# Altium PCB GameBoard_V1I1.PcbDoc (part 9 of 22) (continued)
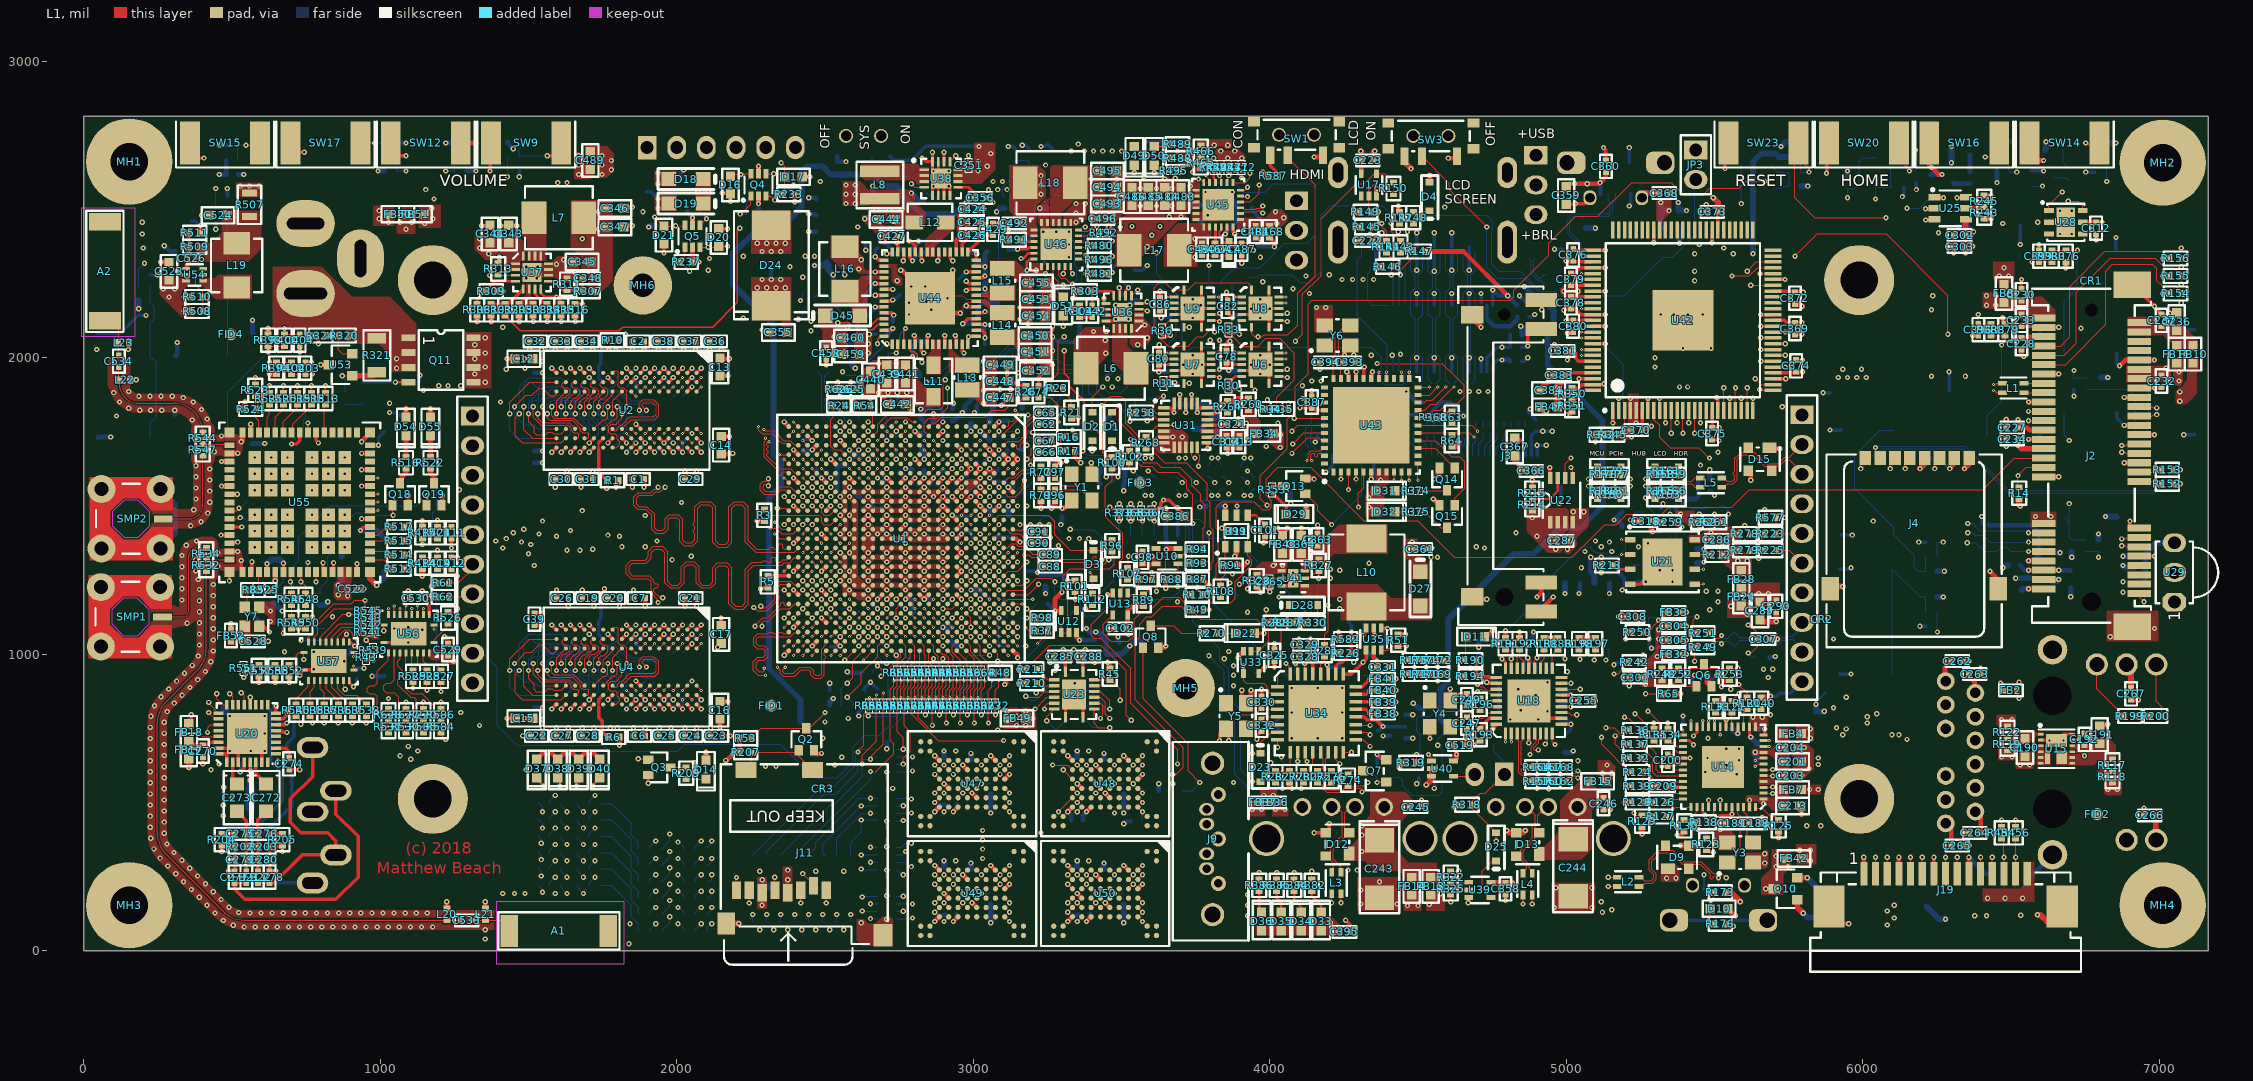
[diagram p0: L1 view]
## Nets (pads, with @x,y where several pads share a name; then routed paths per layer and width w, separated by ;. In a path a pad name is that pad's centre, name@x,y a point inside that pad or via, vN(x,y) a via of type N, cw(c..) or ccw(c..) an arc to the next point about the centre after c; other vN are vias at no path point) (continued)
  L10 w3.15: v1(3877.95,893.7) 3924.21,939.96 3924.21,1056.1 3910.43,1069.88 3910.43,1176.18 3942.91,1208.66 3942.91,1229.33 3936.02,1236.22 v1(3897.64,1236.22)
  L2 w3.15: v4(2728.35,1047.24) v3(2740.16,1059.06) ; v3(5186.02,1336.22) v4(5205.71,1336.22)
  L12 w3.15: R218.2@3362.2,826.77 3401.57,826.77 3429.13,799.21 v1(3429.13,783.46)
CSPI3_MOSI: R217.2 TP14.1 U1.P22 U21.5 U23.5 | length 4263.1
  L1 w3.15: U1.P22@2724.41,1106.3 v3(2740.16,1090.55) ; v1(3208.66,814.96) 3248.03,854.33 U23.5@3273.62,854.33 ; U21.5@5433.07,1236.22 v3(5463.58,1236.22)
  L3 w3.15: v4(2728.35,1078.74) 2740.16,1066.93 2740.16,1030.82 2717.21,1007.87 2690.48,1007.87 2606.3,923.69 2606.3,857.46 2631.67,832.09 2706.5,832.09 2744.49,870.08 3035.43,870.08 3098.43,807.09 3098.43,767.72 3122.05,744.09 3243.59,744.09 3268.51,769.01 3268.51,791.34 3260.63,799.21 3224.41,799.21 v1@3211.4,812.22 ; v1(3208.66,814.96) 3224.41,830.71 3256.89,830.71 3270.67,816.93 3371.06,816.93 3436.02,881.89 3519.69,881.89 3645.67,755.91 3779.53,755.91 3846.46,822.83 3846.46,897.64 v1(3877.95,929.13) ; v1(3925.2,1220.47) 3935.81,1220.47 3950.58,1235.24 3972.25,1235.24 3973.23,1236.22 3980.12,1229.33 4001.59,1229.33 4018.46,1212.46 4038.64,1212.46 4061.14,1189.96 4220.26,1189.96 4230.11,1199.8 4723.43,1199.8 4759.84,1236.22 4820.87,1236.22 4848.43,1208.66 4968.5,1208.66 4980.31,1220.47 5168.62,1220.47 5179.44,1231.3 5259.63,1231.3 5270.46,1220.47 5428.15,1220.47 v4(5443.9,1236.22)
  L10 w3.15: v1(3877.95,929.13) 3894.69,945.87 3894.69,966.75 3908.46,980.52 3908.46,1012.8 3895.67,1025.59 3895.67,1190.94 v1(3925.2,1220.47)
  L2 w3.15: v4(2728.35,1078.74) v3(2740.16,1090.55) ; v4(5443.9,1236.22) v3(5463.58,1236.22)
  L12 w3.15: v1(3208.66,814.96) 3248.03,854.33 TP14.1@3267.72,854.33 3291.34,877.95 R217.2@3322.83,877.95
CTP_INT#: R371.1 U43.11 | length 1073.4
  L1 w3.15: v3(4470.47,1586.61) U43.11@4470.47,1614.17
  L3 w3.15: v1(3531.5,1507.87) 3562.99,1476.38 3619.46,1476.38 3634.35,1461.49 3709.21,1461.49 3713.27,1465.55 3776.42,1465.55 3780.35,1469.49 4157.85,1469.49 4161.78,1465.55 4347.28,1465.55 4397.48,1515.75 4419.29,1515.75 v4(4470.47,1566.93)
  L2 w3.15: v4(4470.47,1566.93) v3(4470.47,1586.61)
  L12 w3.15: R371.1@3531.5,1486.81 v1(3531.5,1507.87)
CTP_RST#: R372.1 U43.12 | length 1174.4
  L1 w3.15: v3@4500,1590.55 U43.12@4500,1643.7
  L3 w3.15: v1(3492.13,1507.87) 3531.5,1468.5 3616.2,1468.5 3631.09,1453.61 3712.47,1453.61 3716.54,1457.68 3779.68,1457.68 3783.62,1461.61 4154.59,1461.61 4158.52,1457.68 4350.55,1457.68 4400.74,1507.87 4440.94,1507.87 v4(4500,1566.93)
  L2 w3.15: v4(4500,1566.93) v3(4500,1586.61)
  L12 w3.15: R372.1@3492.13,1486.81 v1(3492.13,1507.87)
CTP_SCL: R369.1 U43.9 | length 937.9
  L1 w3.15: v3(4419.29,1586.61) U43.9@4419.29,1614.17
  L3 w3.15: v1(3610.24,1507.87) 3640.87,1477.24 3702.69,1477.24 3706.75,1481.3 3769.89,1481.3 3773.83,1485.24 4164.37,1485.24 4168.31,1481.3 4340.76,1481.3 4419.29,1559.83 v4(4419.29,1566.93)
  L2 w3.15: v4(4419.29,1566.93) v3(4419.29,1586.61)
  L12 w3.15: R369.1@3602.36,1486.81 3602.36,1500 v1(3610.24,1507.87)
CTP_SDA: R370.1 U43.10 | length 1011.5
  L1 w3.15: v3(4444.88,1586.61) U43.10@4444.88,1614.17
  L3 w3.15: v1(3562.99,1507.87) 3586.61,1484.25 3622.72,1484.25 3637.61,1469.36 3705.95,1469.36 3710.01,1473.43 3773.16,1473.43 3777.09,1477.36 4161.11,1477.36 4165.05,1473.43 4344.02,1473.43 4403.39,1532.79 4410.74,1532.79 v4(4444.88,1566.93)
  L2 w3.15: v4(4444.88,1566.93) v3(4444.88,1586.61)
  L12 w3.15: v1(3562.99,1507.87) 3566.93,1503.94 R370.1@3566.93,1486.81
DRAM0_ZQ: R1.2 U2.L8 | length 159.7
  L1 w7.87: 1736.22,1688.94 1736.22,1712.6
  L1 w11.81: 1736.22,1688.94 1736.22,1614.17 R1.2@1763.78,1586.61 ; 1736.22,1712.6 U2.L8@1751.97,1728.35
DRAM1_ZQ: R2.2 U3.L8 | length 159.7
  L12 w7.87: 1736.22,1940.9 1736.22,1956.73
  L12 w11.81: 1736.22,1940.9 1736.22,1933.07 U3.L8@1751.97,1917.32 ; 1736.22,1956.73 1736.22,1972.44 1744.09,1980.31 1744.09,2039.37 R2.2@1763.78,2059.06
DRAM2_ZQ: R6.2 U4.L8 | length 161.3
  L1 w7.87: 1736.22,822.79 1736.22,838.62
  L1 w11.81: 1736.22,822.79 1736.22,787.4 1748.03,775.59 1748.03,740.16 R6.2@1767.72,720.47 ; 1736.22,838.62 1736.22,846.46 U4.L8@1751.97,862.2
DRAM3_ZQ: R7.2 U5.L8 | length 161.3
  L12 w7.87: 1736.22,1074.76 1736.22,1090.59
  L12 w11.81: 1736.22,1074.76 1736.22,1066.93 U5.L8@1751.97,1051.18 ; 1736.22,1090.59 1736.22,1110.24 1744.09,1118.11 1744.09,1169.29 R7.2@1767.72,1192.91
DRAM_A0: U1.AC14 U2.N3 U3.N3 U4.N3 U5.N3 | length 2907.1
  L1 w3.15: v2@1657.55,944.88 1657.55,984.93 1689.04,1016.42 U4.N3@1689.04,1019.68 ; v2@1657.55,1811.02 1657.55,1851.07 1689.04,1882.57 U2.N3@1689.04,1885.83 ; v3(2425.2,1342.52) U1.AC14@2440.94,1358.27
  L3 w3.15: v2(1673.23,1350.39) 1681.1,1342.52 1681.1,1311.02 1673.23,1303.15 1665.35,1303.15 1657.48,1295.28 1657.48,1283.46 1665.35,1275.59 1673.23,1275.59 1681.1,1267.72 1681.1,1255.91 1673.23,1248.03 1665.35,1248.03 1645.67,1228.35 1645.67,1212.6 1661.42,1196.85 1700.79,1196.85 1712.6,1208.66 1712.6,1220.47 1696.85,1236.22 1696.85,1275.59 1688.98,1283.46 1688.98,1295.28 1696.85,1303.15 1696.85,1364.75 1761.24,1429.13 1844.04,1429.13 1859.29,1413.89 1956.69,1413.89 1980.82,1389.76 2070.19,1389.76 2106.3,1353.66 2106.3,1318.9 2118.11,1307.09 2318.9,1307.09 2347.44,1335.63 2418.31,1335.63 v4(2437.01,1354.33)
  L10 w3.15: v2(1657.48,944.88) 1657.48,984.25 1559.05,1082.68 1540.15,1082.68 1531.5,1091.33 1531.5,1114.17 1539.37,1122.05 1566.93,1122.05 1578.74,1133.86 1578.74,1161.42 1732.28,1314.96 1732.28,1330.71 1724.41,1338.58 1685.04,1338.58 v2(1673.23,1350.39) ; v2(1657.48,1811.02) 1657.48,1799.21 1562.99,1704.72 1543.31,1704.72 1531.56,1692.98 1531.56,1637.8 1555.18,1614.17 1555.18,1539.3 1622.05,1472.44 1654.59,1472.44 1677.23,1449.8 1677.23,1437.01 1661.48,1421.26 1661.48,1385.83 1673.29,1374.02 v2(1673.23,1350.39)
  L2 w3.15: v3(2425.2,1342.52) v4(2437.01,1354.33)
  L12 w3.15: v2@1657.55,944.88 1653.61,944.88 1649.67,940.94 1649.67,932.4 1655.89,926.18 1665.11,926.18 1669.02,922.27 1669.02,913.05 1674.74,907.33 1683.97,907.33 1689.04,902.25 U5.N3@1689.04,893.7 ; v2@1657.55,1811.02 1653.61,1811.02 1649.67,1807.09 1649.67,1798.54 1655.89,1792.32 1665.11,1792.32 1669.02,1788.42 1669.02,1779.19 1674.74,1773.47 1683.97,1773.47 1689.04,1768.39 U3.N3@1689.04,1759.84
DRAM_A1: U1.AB14 U2.P7 U3.P7 U4.P7 U5.P7 | length 3109
  L1 w3.15: v2(1547.24,968.5) 1547.31,925.2 1558.14,914.37 1636.88,914.37 U4.P7@1657.55,893.7 ; v2(1547.24,1834.65) 1547.31,1791.34 1558.14,1780.51 1636.88,1780.51 U2.P7@1657.55,1759.84 ; v3(2456.69,1342.52) U1.AB14@2472.44,1358.27
  L3 w3.15: v2(1500,1338.58) 1472.44,1338.58 1464.57,1330.71 1464.57,1295.28 1472.44,1287.4 1488.19,1287.4 1496.06,1295.28 1496.06,1311.02 1510.83,1325.79 1540.35,1325.79 1555.12,1311.02 1566.93,1311.02 1623.03,1367.13 1657.63,1367.13 1676.33,1385.83 1695.66,1385.83 1754.71,1444.88 1851.42,1444.88 1866.67,1429.64 1974.58,1429.64 1994.77,1409.45 2074.8,1409.45 2161.42,1322.83 2302.17,1322.83 2330.71,1351.38 2405.2,1351.38 2427.84,1374.02 2446.91,1374.02 2466.59,1354.33 v4(2468.5,1354.33)
  L10 w3.15: v2(1500,1338.58) 1500,1330.71 1488.19,1318.9 1476.38,1318.9 1469.06,1311.58 1469.06,1295.28 1476.93,1287.4 1496.06,1287.4 1503.94,1279.53 1503.94,1271.65 1496.06,1263.78 1476.93,1263.78 1469.06,1255.91 1469.06,1247.48 1476.38,1240.16 1523.62,1240.16 1531.5,1232.28 1531.5,1224.41 1523.62,1216.54 1484.25,1216.54 1476.38,1208.66 1476.38,1196.85 1484.25,1188.98 1484.25,1174.8 1474.73,1165.27 1474.73,1050.25 1547.24,977.73 v2(1547.24,968.5) ; v2@1500.07,1338.58 1523.69,1362.2 1523.69,1377.89 1507.94,1393.64 1507.94,1441.56 1468.57,1480.93 1468.57,1523.62 1448.82,1543.37 1448.82,1707.47 1547.31,1805.96 v2(1547.24,1834.65)
  L2 w3.15: v3(2456.69,1342.52) v4(2468.5,1354.33)
  L12 w3.15: v2(1547.24,968.5) 1547.31,984.25 1562.07,999.02 1661.17,999.02 1668.37,1006.21 1668.37,1013.78 1662.47,1019.69 U5.P7@1657.55,1019.69 ; v2(1547.24,1834.65) 1547.31,1850.39 1562.07,1865.16 1661.17,1865.16 1668.37,1872.36 1668.37,1879.92 1662.47,1885.83 U3.P7@1657.55,1885.83
DRAM_A2: U1.AA14 U2.P3 U3.P3 U4.P3 U5.P3 | length 2909
  L1 w3.15: v2@1626.05,944.88 1626.05,988.19 U4.P3@1657.55,1019.68 ; v2@1626.05,1811.02 1626.05,1854.33 U2.P3@1657.55,1885.83 ; v3(2488.19,1342.52) U1.AA14@2503.94,1358.27
  L3 w3.15: v2(1629.92,1350.39) 1629.92,1334.65 1615.16,1319.88 1599.41,1319.88 1593.5,1313.98 1593.5,1302.17 1599.41,1296.26 1627.95,1296.26 1633.86,1290.35 1633.86,1278.54 1627.95,1272.64 1611.22,1272.64 1606.3,1267.72 1606.3,1255.91 1622.05,1240.16 1641.73,1240.16 1649.61,1248.03 1649.61,1347.96 1679.59,1377.95 1698.92,1377.95 1757.98,1437.01 1848.16,1437.01 1863.4,1421.76 1964.07,1421.76 1988.19,1397.64 2075.48,1397.64 2118.11,1355.01 2118.11,1334.65 2137.8,1314.96 2310.04,1314.96 2338.58,1343.5 2408.46,1343.5 2431.1,1366.14 2442.91,1366.14 2456.69,1352.36 2456.69,1345.47 2471.46,1330.71 v4(2476.38,1330.71)
  L10 w3.15: v2(1625.98,944.88) 1626.81,945.71 1626.81,973.75 1533.63,1066.93 1533.24,1066.93 1514.1,1086.07 1514.1,1140.08 1578.74,1204.72 1578.74,1224.41 1590.55,1236.22 1606.3,1236.22 1618.11,1248.03 1637.8,1248.03 1645.67,1255.91 1645.67,1268.22 1638.3,1275.59 1618.11,1275.59 1610.24,1283.46 1610.24,1295.28 1618.11,1303.15 1653.96,1303.15 1661.42,1310.61 1661.42,1319.31 1653.96,1326.77 1641.73,1326.77 1629.92,1338.58 v2(1629.92,1350.39) 1629.92,1361.22 1635.83,1367.13 1635.83,1379.99 1598.49,1417.32 1598.49,1433.07 1547.28,1484.29 1547.28,1496.06 1553.15,1501.94 1553.15,1517.72 1535.43,1535.43 1519.75,1535.43 1511.88,1543.31 1511.88,1555.12 1519.75,1562.99 1531.56,1562.99 1539.44,1570.87 1539.44,1602.36 1511.88,1629.92 1511.88,1700.85 1531.5,1720.47 1550.12,1720.47 1626.88,1797.23 1626.88,1810.2 v2@1626.05,1811.02
  L2 w3.15: v4(2476.38,1330.71) v3(2488.19,1342.52)
  L12 w3.15: v2@1626.05,944.88 1622.11,944.88 1618.18,940.94 1618.18,932.4 1627.5,923.07 1636.72,923.07 1641.18,918.62 1641.18,909.39 1644.23,906.34 1653.45,906.34 1657.55,902.25 U5.P3@1657.55,893.7 ; v2@1626.05,1811.02 1622.11,1811.02 1618.18,1807.09 1618.18,1798.54 1627.5,1789.22 1636.72,1789.22 1641.18,1784.76 1641.18,1775.54 1644.23,1772.48 1653.45,1772.48 1657.55,1768.39 U3.P3@1657.55,1759.84
  other v2: 1625.98,1811.02
DRAM_A3: U1.Y14 U2.N2 U3.N2 U4.N2 U5.N2 | length 3089.5
  L1 w3.15: v2(1673.23,968.5) 1673.29,984.93 1685.91,997.54 1690.52,997.54 1704.79,1011.81 1704.79,1023.62 1695.93,1032.48 1683.14,1032.48 1678.21,1037.4 1678.21,1046.26 1683.14,1051.18 U4.N2@1689.04,1051.18 ; v2(1673.23,1834.65) 1673.29,1851.07 1685.91,1863.68 1690.52,1863.68 1704.79,1877.95 1704.79,1889.76 1695.93,1898.62 1683.14,1898.62 1678.21,1903.54 1678.21,1912.4 1683.14,1917.32 U2.N2@1689.04,1917.32 ; v3(2519.69,1342.52) U1.Y14@2535.43,1358.27
  L3 w3.15: v2(1716.53,1354.33) 1708.66,1346.46 1708.66,1240.16 1717.25,1231.56 1728.35,1231.56 1736.94,1240.16 1736.94,1267.72 1731.3,1273.36 1731.3,1284.71 1736.94,1290.35 1736.94,1393.7 1764.5,1421.26 1840.78,1421.26 1856.03,1406.01 1948.82,1406.01 1972.94,1381.89 2066.93,1381.89 2098.43,1350.39 2098.43,1309.06 2108.27,1299.21 2322.83,1299.21 2350.39,1326.77 2421.26,1326.77 2429.13,1334.65 2454.42,1334.65 2470.16,1318.9 2488.87,1318.9 2500.68,1330.71 v4(2507.87,1330.71)
  L10 w3.15: v2(1673.23,968.5) 1673.23,983.06 1562.99,1093.29 1562.99,1106.3 1570.87,1114.17 1578.74,1114.17 1586.61,1122.05 1586.61,1155.51 1744.09,1312.99 1744.09,1410.51 1733.35,1421.26 1719.96,1421.26 1712.6,1413.9 1712.6,1401.57 1728.35,1385.83 1728.35,1366.14 v2(1716.53,1354.33) ; v2(1673.23,1834.65) 1673.29,1797.24 1563.06,1687.01 1563.06,1543.24 1625.98,1480.31 1657.48,1480.31 1657.85,1480.31 1669.48,1468.69 1676.98,1468.69 1700.85,1444.82 1700.85,1429.13 1692.98,1421.26 1681.1,1421.26 1671.83,1411.99 1671.83,1402.97 1680.27,1394.53 1688.21,1394.53 1696.92,1385.83 1696.92,1374.02 1689.04,1366.14 1689.04,1354.33 1696.92,1346.46 1708.73,1346.46 v2(1716.53,1354.33)
  L2 w3.15: v4(2507.87,1330.71) v3(2519.69,1342.52)
  L12 w3.15: v2(1673.23,968.5) 1673.29,929.13 1704.79,897.64 1704.79,877.95 U5.N2@1689.04,862.2 ; v2(1673.23,1834.65) 1673.29,1795.28 1704.79,1763.78 1704.79,1744.09 U3.N2@1689.04,1728.35
DRAM_A4: U1.W14 U2.P8 U3.P8 U4.P8 U5.P8 | length 3240.9
  L1 w3.15: v2@1531.56,944.88 1531.56,929.81 1554.88,906.5 1633.62,906.5 1644.75,895.36 1644.75,888.4 1652.25,880.91 1664.43,880.91 1669.36,875.98 1669.36,866.14 1665.42,862.2 U4.P8@1657.55,862.2 ; v2@1531.56,1811.02 1531.56,1795.95 1554.88,1772.64 1633.62,1772.64 1644.75,1761.5 1644.75,1754.54 1652.25,1747.05 1664.43,1747.05 1669.36,1742.13 1669.36,1732.28 1665.42,1728.35 U2.P8@1657.55,1728.35 ; U1.W14@2566.93,1358.27 v3(2582.68,1374.02)
  L3 w3.15: v2(1507.87,1370.08) 1549.42,1370.08 1562.22,1382.87 1650.43,1382.87 1671.99,1404.43 1691.99,1404.43 1692.91,1405.35 1692.91,1405.51 1693.07,1405.51 1748.19,1460.63 1857.94,1460.63 1873.19,1445.38 1981.84,1445.38 2002.03,1425.2 2084.03,1425.2 2166.71,1342.52 2291.34,1342.52 2291.99,1343.17 2318.9,1370.08 2368.89,1370.08 2388.57,1389.76 2423.97,1389.76 2431.84,1397.64 2441.9,1397.64 2448.82,1390.72 2448.82,1383.24 2464.93,1367.13 2479.73,1367.13 2488.59,1358.27 2566.93,1358.27 v4(2570.87,1362.21)
  L10 w3.15: v2(1507.87,1370.08) 1461.18,1323.39 1461.18,1241.34 1440.94,1221.1 1440.94,1209.29 1448.82,1201.42 1460.63,1201.42 1468.5,1193.54 1468.5,1185.67 1460.63,1177.8 1448.82,1177.8 1440.95,1169.92 1440.95,1162.05 1448.82,1154.17 1460.63,1154.17 1466.85,1147.95 1466.85,1140.08 1458.98,1132.21 1447.17,1132.21 1439.29,1124.33 1439.29,1116.46 1447.17,1108.58 1457.36,1108.58 1463.58,1102.36 1463.58,1091.54 1457.68,1085.63 1444.53,1085.63 1437.64,1078.74 1437.64,1067.49 1531.5,973.63 v2(1531.5,944.88) ; v2@1507.94,1370.08 1499.02,1379 1499.02,1439.34 1461.12,1477.24 1437.07,1477.24 1430.06,1484.25 1430.06,1492.13 1437.93,1500 1452.82,1500 1460.7,1507.87 1460.7,1515.75 1452.82,1523.62 1437.07,1523.62 1429.2,1531.5 1429.2,1539.44 1440.94,1551.18 1440.94,1559.12 1429.2,1570.87 1429.2,1578.81 1440.94,1590.55 1440.94,1598.43 1429.2,1610.17 1429.2,1618.18 1440.94,1629.92 1440.94,1637.86 1433.07,1645.74 1433.07,1672.61 1440.94,1680.49 1440.94,1716.54 1531.56,1807.15 v2@1531.56,1811.02
  L2 w3.15: v4(2570.87,1362.21) v3(2582.68,1374.02)
  L12 w3.15: v2@1531.56,944.88 1531.56,981.3 1557.15,1006.89 1631.35,1006.89 1641.8,1017.34 1641.8,1035.43 U5.P8@1657.55,1051.18 ; v2@1531.56,1811.02 1531.56,1847.44 1557.15,1873.03 1631.35,1873.03 1641.8,1883.48 1641.8,1901.57 U3.P8@1657.55,1917.32
  other v2: 1531.5,1811.02
DRAM_A5: U1.AE13 U2.P2 U3.P2 U4.P2 U5.P2 | length 3108.6
  L1 w3.15: v2(1641.73,968.5) 1641.8,984.93 1654.41,997.54 1659.02,997.54 1672.31,1010.83 1672.31,1023.02 1662.85,1032.48 1650.66,1032.48 1645.73,1037.4 1645.73,1047.24 1649.67,1051.18 U4.P2@1657.55,1051.18 ; v2(1641.73,1834.65) 1641.8,1851.07 1654.41,1863.68 1659.02,1863.68 1672.31,1876.97 1672.31,1889.16 1662.85,1898.62 1650.66,1898.62 1645.73,1903.54 1645.73,1913.39 1649.67,1917.32 U2.P2@1657.55,1917.32 ; v3(2330.71,1405.51) 2346.46,1389.76 U1.AE13@2377.95,1389.76
  L3 w3.15: v2(1641.73,1417.32) 1610.24,1417.32 1602.36,1425.2 1602.36,1437.68 1609.56,1444.88 1654.53,1444.88 1670.28,1429.13 1683.29,1429.13 1746.56,1492.4 1980.04,1492.4 1992.13,1480.31 2000,1480.31 2007.87,1472.44 2007.87,1464.57 2015.75,1456.69 2029.53,1456.69 2035.43,1462.6 2035.43,1488.35 2041.34,1494.25 2053.15,1494.25 2059.05,1488.35 2059.05,1462.6 2064.96,1456.69 2074.8,1456.69 2080.71,1462.6 2080.71,1488.19 2086.61,1494.09 2098.43,1494.09 2176.18,1416.34 2320.66,1416.34 2356.09,1451.77 2399.82,1451.77 2408.46,1443.12 2408.46,1430.89 2399.82,1422.24 2347.44,1422.24 v4(2342.52,1417.32)
  L10 w3.15: v2(1641.73,968.5) 1641.73,984.25 1551.18,1074.8 1536.5,1074.8 1536.5,1075.19 1521.97,1089.72 1521.97,1133.86 1541.65,1153.54 1559.06,1153.54 1570.87,1165.35 1570.87,1181.1 1586.61,1196.85 1598.43,1196.85 1614.17,1212.6 1614.17,1223.73 1622.72,1232.28 1633.86,1232.28 1677.17,1275.59 1677.17,1283.46 1669.29,1291.34 1669.29,1299.21 1677.17,1307.09 1685.04,1307.09 1692.91,1299.21 1700.79,1299.21 1708.66,1307.09 1708.66,1318.9 1700.79,1326.77 1669.29,1326.77 1653.54,1342.52 1653.54,1354.33 1658.6,1359.39 1658.6,1368.96 1645.67,1381.89 1645.67,1389.76 1653.54,1397.64 1653.54,1405.51 1641.77,1417.29 1629.99,1405.51 1622.11,1405.51 1614.24,1413.39 1614.24,1421.26 1629.99,1437.01 1648.69,1437.01 1657.55,1445.87 1657.55,1453.74 1646.72,1464.57 1637.86,1464.57 1614.24,1440.94 1606.36,1440.94 1598.49,1448.82 1598.49,1456.69 1606.36,1464.57 1606.36,1472.44 1599.97,1478.84 1592.09,1478.84 1584.22,1470.96 1576.35,1470.96 1567,1480.31 1567,1488.19 1574.87,1496.06 1574.87,1507.81 1547.31,1535.37 1547.31,1606.3 1523.69,1629.92 1523.69,1700.85 1535.43,1712.6 1554.28,1712.6 1641.8,1800.11 v2(1641.73,1834.65)
  L2 w3.15: v3(2330.71,1405.51) v4(2342.52,1417.32)
  L12 w3.15: v2(1641.73,968.5) 1641.8,929.13 1673.29,897.64 1673.29,877.95 U5.P2@1657.55,862.2 ; v2(1641.73,1834.65) 1641.8,1795.28 1673.29,1763.78 1673.29,1744.09 U3.P2@1657.55,1728.35
DRAM_A6: U1.AC13 U2.R8 U3.R8 U4.R8 U5.R8 | length 3321.3
  L1 w3.15: v2@1468.57,944.88 1467.59,944.88 1455.77,933.07 1455.77,869.09 1478.41,846.46 1610.3,846.46 U4.R8@1626.05,862.2 ; v2@1468.57,1811.02 1467.59,1811.02 1455.77,1799.21 1455.77,1735.24 1478.41,1712.6 1610.3,1712.6 U2.R8@1626.05,1728.35 ; v3(2425.2,1374.02) U1.AC13@2440.94,1389.76
  L3 w3.15: v2(1425.2,1389.76) 1440.94,1374.02 1440.94,1354.33 1425.75,1339.13 1425.75,1314.41 1433.07,1307.09 1448.82,1307.09 1456.69,1314.96 1456.69,1336.84 1475.17,1355.31 1590.55,1355.31 1610.24,1375 1654.37,1375 1673.07,1393.7 1692.4,1393.7 1751.45,1452.76 1854.68,1452.76 1869.93,1437.51 1977.84,1437.51 1998.03,1417.32 2078.74,1417.32 2161.42,1334.65 2298.23,1334.65 2322.83,1359.25 2400.59,1359.25 2423.23,1381.89 2433.07,1381.89 v4(2437.01,1385.83)
  L10 w3.15: v2(1468.5,944.88) 1468.5,976.38 1405.51,1039.37 1405.51,1275.59 1429.13,1299.21 1429.13,1370.08 1425.2,1374.02 v2(1425.2,1389.76) 1433.07,1397.64 1433.07,1409.45 1425.2,1417.32 1405.51,1417.32 1393.77,1429.07 1393.77,1729.41 1468.57,1804.21 v2@1468.57,1811.02
  L2 w3.15: v3(2425.2,1374.02) v4(2437.01,1385.83)
  L12 w3.15: v2@1468.57,944.88 1468.57,1035.43 1500.07,1066.93 1610.3,1066.93 U5.R8@1626.05,1051.18 ; v2@1468.57,1811.02 1468.57,1901.58 1500.07,1933.07 1610.3,1933.07 U3.R8@1626.05,1917.32
  other v2: 1468.5,1811.02
DRAM_A7: U1.Y13 U2.R2 U3.R2 U4.R2 U5.R2 | length 2973
  L1 w3.15: v2(1610.24,968.5) 1610.3,992.8 1617.16,999.66 1626.39,999.66 1638.84,1012.12 1638.84,1024.99 1631.35,1032.48 1619.16,1032.48 1613.25,1038.39 1613.25,1045.27 1619.16,1051.18 U4.R2@1626.05,1051.18 ; v2(1610.24,1834.65) 1610.3,1858.94 1617.16,1865.8 1626.39,1865.8 1638.84,1878.26 1638.84,1891.13 1631.35,1898.62 1619.16,1898.62 1613.25,1904.53 1613.25,1911.42 1619.16,1917.32 U2.R2@1626.05,1917.32 ; U1.Y13@2535.43,1389.76 v3(2551.18,1374.02)
  L3 w3.15: v2(1594.49,1397.64) 1594.49,1394.68 1651.11,1394.68 1669.81,1413.39 1689.81,1413.39 1752.8,1476.38 1864.46,1476.38 1887.59,1453.26 1985.1,1453.26 2005.29,1433.07 2087.29,1433.07 2169.97,1350.39 2288.08,1350.39 2288.73,1351.05 2315.64,1377.95 2358.27,1377.95 2377.95,1397.64 2420.7,1397.64 2428.58,1405.51 2445.16,1405.51 2456.69,1393.98 2456.69,1386.5 2468.2,1375 2482.99,1375 2491.85,1366.14 2508.15,1366.14 2516.03,1374.02 2588.58,1374.02 2613.19,1398.62 2613.19,1422.24 2601.38,1434.06 2558.85,1434.06 2536.42,1411.63 2536.42,1399.4 2539.37,1396.44 v4(2539.37,1385.83)
  L10 w3.15: v2(1594.49,1397.64) 1602.36,1389.76 1614.17,1389.76 1622.05,1381.89 1622.05,1370.08 1614.17,1362.2 1598.43,1362.2 1590.55,1354.33 1590.55,1342.52 1606.3,1326.77 1606.3,1314.96 1590.55,1299.21 1590.55,1248.03 1570.87,1228.35 1570.87,1208.66 1506.22,1144.02 1506.22,1073.04 1610.24,969.02 v2(1610.24,968.5) ; v2@1594.55,1397.64 1586.61,1405.58 1586.61,1433.07 1535.43,1484.25 1535.43,1507.87 1504,1539.3 1504,1551.25 1504,1558.38 1527.56,1581.94 1527.56,1602.36 1504,1625.92 1504,1705.47 1526.88,1728.35 1546.85,1728.35 1555.12,1736.61 1555.12,1756.58 1562.32,1763.78 1582,1763.78 1610.3,1792.08 v2(1610.24,1834.65)
  L2 w3.15: v4(2539.37,1385.83) v3(2551.18,1374.02)
  L12 w3.15: v2(1610.24,968.5) 1610.3,929.13 1641.8,897.64 1641.8,877.95 U5.R2@1626.05,862.2 ; v2(1610.24,1834.65) 1610.3,1795.28 1641.8,1763.78 1641.8,1744.09 U3.R2@1626.05,1728.35
DRAM_A8: U1.AB13 U2.T8 U3.T8 U4.T8 U5.T8 | length 3117.3
  L1 w3.15: v2(1484.25,968.5) 1484.32,891.35 1513.47,862.2 U4.T8@1594.55,862.2 ; v2(1484.25,1834.65) 1484.32,1757.49 1513.47,1728.35 U2.T8@1594.55,1728.35 ; U1.AB13@2472.44,1389.76 v3(2488.19,1374.02)
  L3 w3.15: v2(1448.82,1409.45) 1460.63,1397.64 1515.75,1397.64 1522.64,1390.75 1541.55,1390.75 1603.56,1452.76 1695.77,1452.76 1743.29,1500.28 1995.27,1500.28 2006.37,1489.17 2025.12,1489.17 2039.89,1503.94 2100.56,1503.94 2180.28,1424.21 2317.39,1424.21 2353.81,1460.63 2428.15,1460.63 2443.9,1476.38 2479.33,1476.38 2486.22,1469.49 2486.22,1458.66 2479.33,1451.77 2450.58,1451.77 2441.93,1443.12 2441.93,1430.89 2451.56,1421.26 2455.74,1421.26 2473.42,1403.57 2473.42,1398.62 2481.3,1390.75 2495.08,1390.75 v4(2500,1385.83)
  L10 w3.15: v2(1484.25,968.5) 1484.25,980.32 1413.39,1051.18 1413.39,1232.28 1437.01,1255.91 1437.01,1369.01 1448.82,1380.82 v2(1448.82,1409.45) 1429.13,1429.13 1417.32,1429.13 1401.64,1444.82 1401.64,1720.54 1484.32,1803.21 v2(1484.25,1834.65)
  L2 w3.15: v3(2488.19,1374.02) v4(2500,1385.83)
  L12 w3.15: v2(1484.25,968.5) 1484.32,1039.37 1496.13,1051.18 1509.91,1051.18 1524.62,1036.47 1535.5,1036.47 1550.21,1051.18 U5.T8@1594.55,1051.18 ; v2(1484.25,1834.65) 1484.32,1905.51 1496.13,1917.32 1509.91,1917.32 1524.62,1902.61 1535.5,1902.61 1550.21,1917.32 U3.T8@1594.55,1917.32
DRAM_A9: U1.AE12 U2.R3 U3.R3 U4.R3 U5.R3 | length 2888
  L1 w3.15: v2@1594.55,944.88 1594.55,988.19 U4.R3@1626.05,1019.68 ; v2@1594.55,1811.02 1594.55,1854.33 U2.R3@1626.05,1885.83 ; v3(2330.71,1444.88) 2354.33,1421.26 U1.AE12@2377.95,1421.26
  L3 w3.15: v2(1547.24,1448.82) 1544.14,1445.72 1534.6,1445.72 1528.59,1451.72 1528.59,1461.66 1538.34,1471.41 1602.36,1471.41 1610.24,1479.28 1610.24,1492.16 1603.43,1498.97 1540.4,1498.97 1532.94,1506.43 1532.94,1517.19 1539.37,1523.62 1619.09,1523.62 1625.98,1516.73 1625.98,1477.36 1633.86,1469.49 1690.24,1469.49 1736.77,1516.02 1980.85,1516.02 1992.38,1527.56 2337.39,1527.56 2356.09,1546.26 2368.32,1546.26 2377.95,1536.63 2377.95,1480.32 2367.13,1469.49 2347.44,1469.49 2334.65,1456.69 v4(2318.9,1456.69)
  L10 w3.15: v2(1547.24,1448.82) 1578.74,1417.32 1578.74,1251.97 1561.93,1235.16 1561.93,1211.53 1498.35,1147.95 1498.35,1069.77 1594.49,973.63 v2(1594.49,944.88) ; v2(1547.24,1448.82) 1531.56,1464.57 1521.56,1464.57 1515.81,1470.31 1515.81,1484.25 1523.69,1492.13 1523.69,1503.94 1515.81,1511.81 1504,1511.81 1496.06,1519.75 1496.06,1551.18 1488.19,1559.06 1480.31,1559.06 1472.44,1566.93 1472.44,1574.8 1480.32,1582.68 1511.81,1582.68 1519.68,1590.55 1519.68,1598.43 1511.81,1606.3 1480.31,1606.3 1472.44,1614.17 1472.44,1622.05 1480.32,1629.92 1488.19,1629.92 1496.06,1637.8 1496.06,1645.67 1488.19,1653.54 1480.31,1653.54 1472.44,1661.42 1472.44,1669.29 1480.32,1677.17 1488.19,1677.17 1496.06,1685.04 1496.06,1712.6 1555.61,1772.15 1578.25,1772.15 1594.49,1788.39 v2(1594.49,1811.02)
  L2 w3.15: v4(2318.9,1456.69) v3(2330.71,1444.88)
  L12 w3.15: v2@1594.55,944.88 1589.63,944.88 1585.7,940.94 1585.7,926.18 1590.62,921.26 1603.1,921.26 1607.84,916.52 1607.84,909.94 1612.27,905.51 1622.79,905.51 1626.05,902.25 U5.R3@1626.05,893.7 ; v2@1594.55,1811.02 1589.63,1811.02 1585.7,1807.09 1585.7,1792.32 1590.62,1787.4 1603.1,1787.4 1607.84,1782.66 1607.84,1776.08 1612.27,1771.65 1622.79,1771.65 1626.05,1768.39 U3.R3@1626.05,1759.84
DRAM_A10: U1.AA15 U2.L7 U3.L7 U4.L7 U5.L7 | length 3209.1
  L1 w3.15: U4.L7@1752.03,893.7 1783.53,925.2 1791.4,925.2 1799.28,933.07 v2@1799.28,968.5 ; U2.L7@1752.03,1759.84 1783.53,1791.34 1791.4,1791.34 1799.28,1799.21 v2@1799.28,1834.65 ; U1.AA15@2503.94,1326.77 v3(2519.69,1311.02)
  L3 w3.15: v2(1984.25,1318.9) 1984.25,1307.09 1976.72,1299.55 1976.72,1291 1989.17,1278.54 1989.17,1256.21 1965.24,1232.28 1886.81,1232.28 1879.28,1224.76 1879.28,1211.27 1885.83,1204.72 1924.37,1204.72 1940.12,1220.47 1971.09,1220.47 1990.77,1200.79 2295.28,1200.79 2303.15,1208.66 2303.15,1216.54 2310.96,1224.34 2322.9,1224.34 2330.71,1216.54 2330.71,1208.66 2338.58,1200.79 2370.08,1200.79 2377.95,1208.66 2377.95,1224.41 2365.16,1237.2 2365.16,1252.95 2376.97,1264.76 2385.83,1264.76 2394.68,1255.91 2400.98,1255.91 2433.07,1287.99 2458.67,1287.99 2458.76,1288.08 2482.07,1264.76 2497.05,1264.76 v4(2531.5,1299.21)
  L10 w3.15: v2(1799.21,968.5) 1799.21,978.9 1744.09,1034.02 1744.09,1111.53 1782.17,1149.61 1782.17,1176.39 1857.75,1251.97 1870.08,1251.97 1880.06,1241.99 1887.93,1241.99 1893.7,1247.75 1893.7,1255.91 1881.89,1267.72 1881.89,1274.44 1886.98,1279.53 1895.09,1279.53 1913.39,1261.23 1946.27,1261.23 1952.76,1267.72 1952.76,1275.59 1944.88,1283.46 1913.39,1283.46 1905.51,1291.34 1905.51,1299.21 1913.39,1307.09 1948.82,1307.09 1972.44,1283.46 1980.99,1283.46 2007.87,1310.35 2007.87,1385.83 2001.97,1391.73 1990.16,1391.73 1984.25,1385.83 v2(1984.25,1318.9) ; v2@1799.28,1834.65 1799.28,1791.4 1745.08,1737.2 1745.08,1703.22 1755.91,1692.39 1755.91,1651.83 1799.28,1608.46 1799.28,1594.42 1807.09,1586.61 1821.12,1586.61 1830.14,1577.6 1830.14,1548.82 1859.27,1519.69 1909.45,1519.69 1913.45,1515.68 1913.45,1496.06 1921.33,1488.19 1934.12,1488.19 1948.82,1488.19 1956.76,1480.25 1956.76,1472.44 1964.63,1464.57 1964.63,1456.69 1956.76,1448.82 1948.88,1448.82 1941.01,1440.94 1941.01,1433.07 1947.9,1426.18 1996.13,1426.18 2004,1418.31 2004,1409.45 1996.13,1401.57 1956.76,1401.57 1948.88,1393.7 1948.88,1374.02 1955.77,1367.13 1963.65,1367.13 1972.51,1358.27 1972.51,1350.39 1964.63,1342.52 1948.88,1342.52 1941.01,1334.65 1941.01,1326.77 1948.88,1318.9 1956.76,1318.9 1964.63,1311.02 1976.44,1311.02 v2(1984.25,1318.9)
  L2 w3.15: v3(2519.69,1311.02) v4(2531.5,1299.21)
  L12 w3.15: U5.L7@1752.03,1019.68 1748.1,1019.68 1740.22,1011.81 1740.22,1000 1748.1,992.13 1765.04,992.13 1788.66,968.5 v2@1799.28,968.5 ; U3.L7@1752.03,1885.83 1748.1,1885.83 1740.22,1877.95 1740.22,1866.14 1748.1,1858.27 1765.04,1858.27 1788.66,1834.65 v2@1799.28,1834.65
  other v2: 1799.21,1834.65